# KiCad board ZIN70 Nixie Clock.kicad_pcb
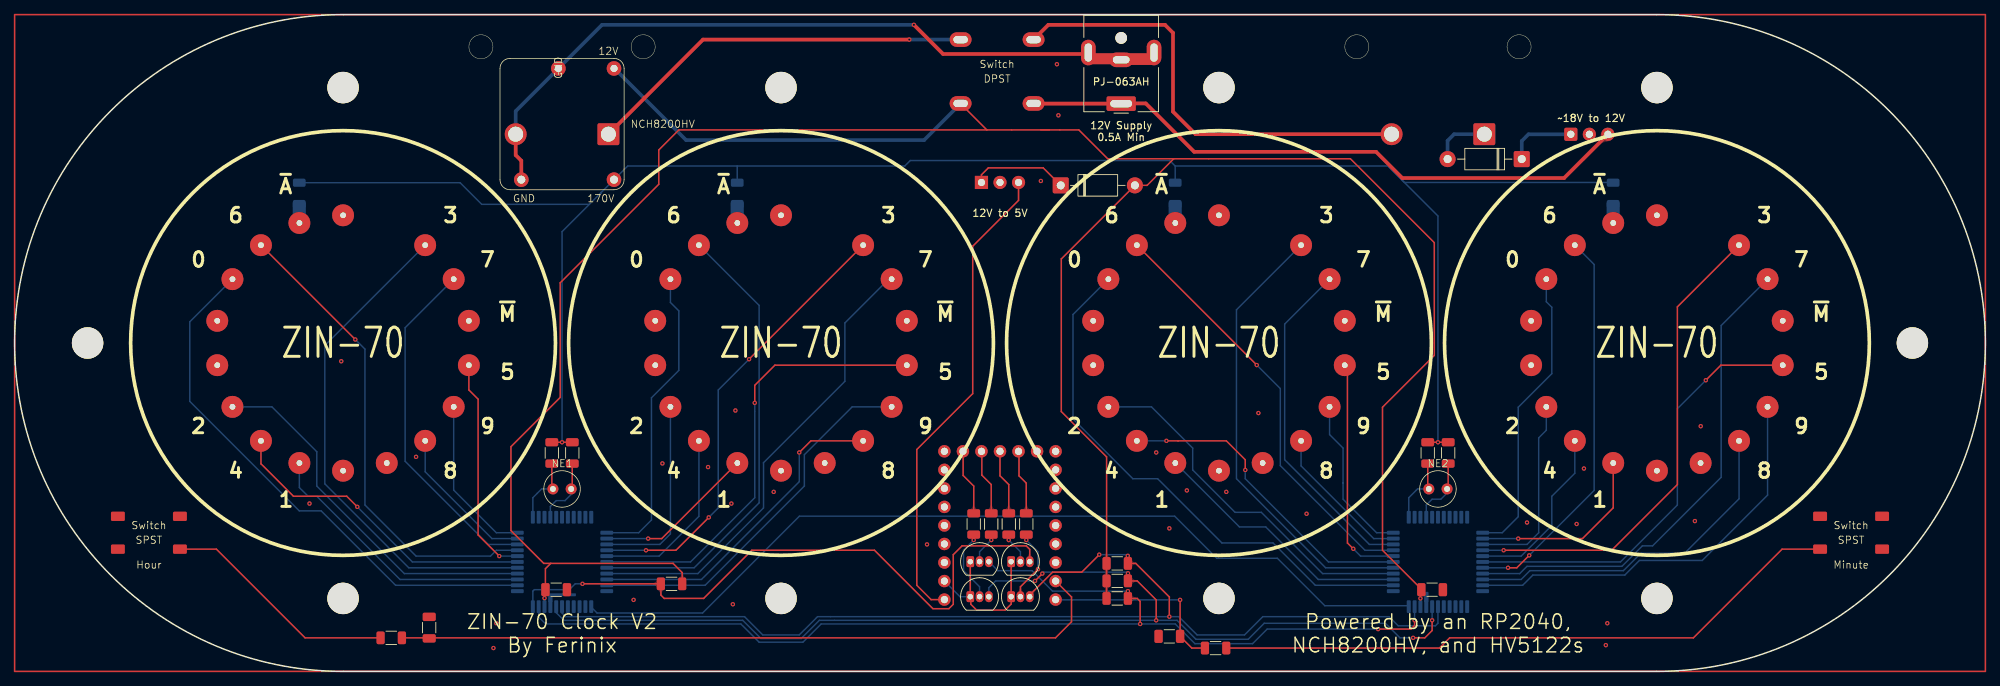
[diagram p0: board, top side]
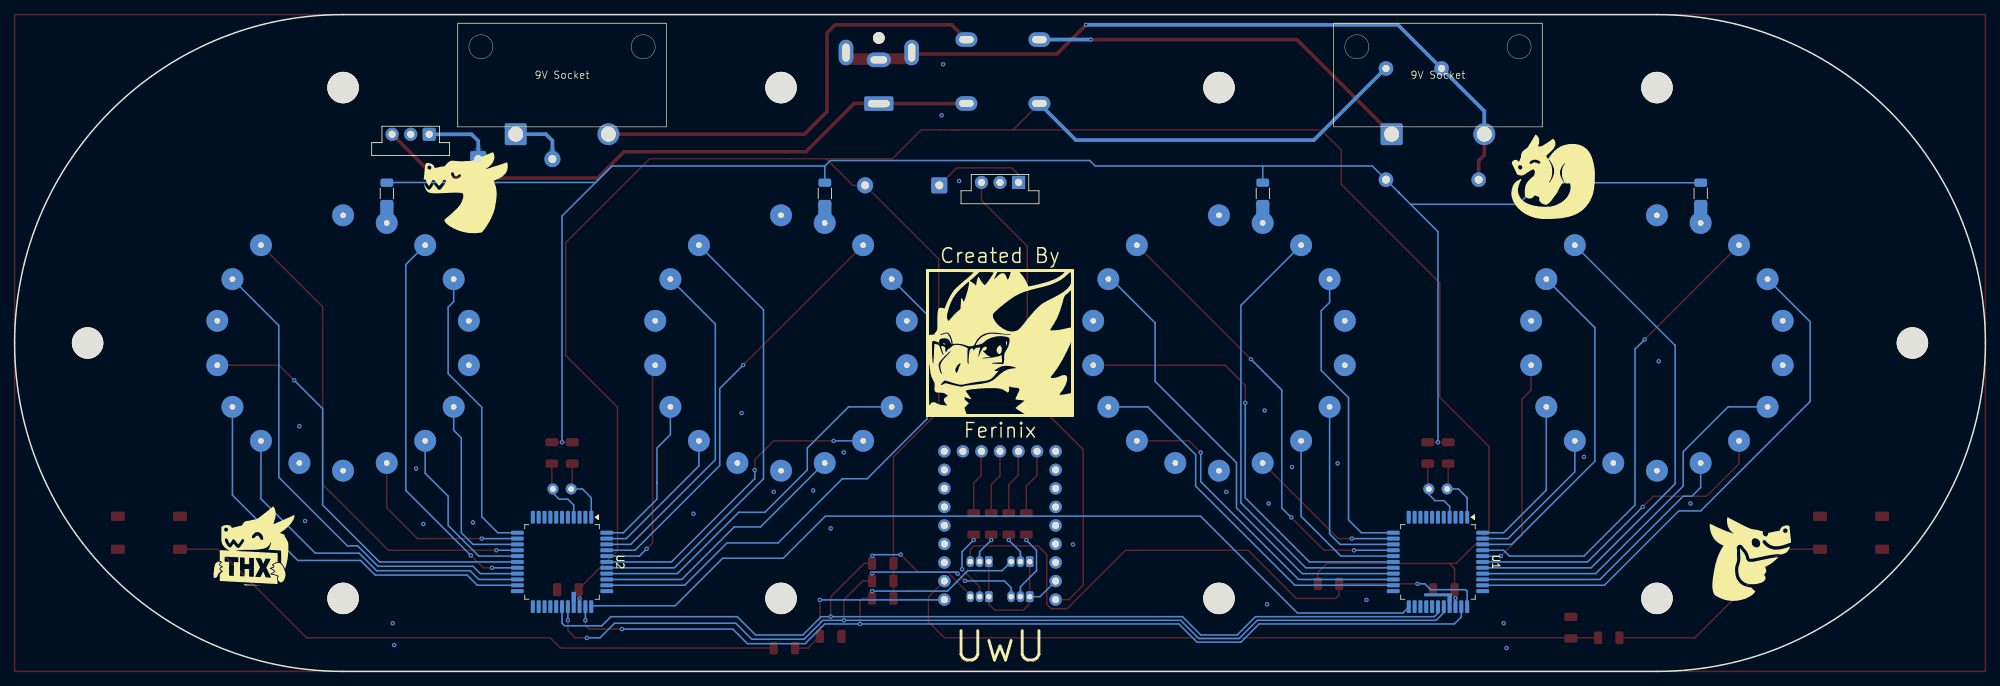
[diagram p1: board, bottom side, seen from below]

Outline 270 x 90 mm; copper layers: Top, Bottom. Coordinates in mm from the lower left corner of the outline.
Outline path: 0,45 arc(13.18,76.82) 45,90 225,90 arc(256.82,76.82) 270,45 arc(256.82,13.18) 225,0 45,0 arc(13.18,13.18) 0,45

## Placement (name value [footprint] x y rotation side)
9V Socket  -  [9V Socket Slim]  75 81.2 270 bottom
9V Socket#2  -  [9V Socket Slim]  195 81.2 270 bottom
C1  100nF  [C_1206_3216Metric]  74.2 11.2 0 top
C2  100nF  [C_1206_3216Metric]  194.2 11.2 0 top
C_DB  1uF  [C_1206_3216Metric]  158.2 4.8 180 top
C_DB#2  1uF  [C_1206_3216Metric]  56.8 6 90 top
D1  1N4007  [D_DO-41_SOD81_P10.16mm_Horizontal]  143.32 66.6 0 top
D2  1N4007  [D_DO-41_SOD81_P10.16mm_Horizontal]  206.48 70.2 180 top
G***  LOGO  [nixside]  135 45 180 bottom
G***#2  LOGO  [dragnthx]  237.65 4.85 180 bottom
G***#3  LOGO  [dragnloaf]  59.8 67.8 180 bottom
G***#4  LOGO  [dragnuwu]  209.35 65.76 180 bottom
G***#5  LOGO  [dragnthink]  31.51 15.1 180 bottom
NCH8200HV  -  [NCH8200HV Through-Hole]  75 75 270 top
NE1  NE-2  [NE-2_5mm]  75 25 0 top
NE2  NE-2  [NE-2_5mm]  195 25 0 top
NIX1  ZIN-70  [ZIN-70 Z5680M Pinout]  45 45 0 top
NIX2  ZIN-70  [ZIN-70 Z5680M Pinout]  105 45 0 top
NIX3  ZIN-70  [ZIN-70 Z5680M Pinout]  165 45 0 top
NIX4  ZIN-70  [ZIN-70 Z5680M Pinout]  225 45 0 top
PJ-063AH  -  [BarrelJack_CUI_PJ-063AH_Horizontal]  151.6 77.8 180 top
Q1  PN2222A  [TO-92_Inline]  136.53 15.04 0 top
Q2  PN2222A  [TO-92_Inline]  136.53 10.24 0 top
Q3  PN2222A  [TO-92_Inline]  130.93 10.24 0 top
Q4  PN2222A  [TO-92_Inline]  130.93 15.04 0 top
R1  6.8K  [R_1206_3216Metric]  39 65.5 270 bottom
R2  6.8K  [R_1206_3216Metric]  99 65.5 270 bottom
R3  6.8K  [R_1206_3216Metric]  159 65.5 270 bottom
R4  6.8K  [R_1206_3216Metric]  219 65.5 270 bottom
R5  200K  [R_1206_3216Metric]  73.6 29.94 90 top
R6  200K  [R_1206_3216Metric]  76.4 29.94 90 top
R7  200K  [R_1206_3216Metric]  193.6 29.94 90 top
R8  200K  [R_1206_3216Metric]  196.4 29.94 90 top
R9  1K  [R_1206_3216Metric]  151.06 10 0 top
R10  1K  [R_1206_3216Metric]  151.06 12.4 0 top
R11  1K  [R_1206_3216Metric]  151.06 14.8 0 top
R12  1K  [R_1206_3216Metric]  90 12 180 top
R13  1K  [R_1206_3216Metric]  136.2 20.2 90 top
R14  1K  [R_1206_3216Metric]  138.6 20.2 90 top
R15  1K  [R_1206_3216Metric]  131.4 20.2 90 top
R16  1K  [R_1206_3216Metric]  133.8 20.2 90 top
R_DB  1K  [R_1206_3216Metric]  164.54 3.2 0 top
R_DB#2  1K  [R_1206_3216Metric]  51.6 4.6 0 top
REF**  -  [MountingHole_4.3mm_M4]  105 80 0 top
REF**#2  -  [MountingHole_4.3mm_M4]  45 80 0 top
REF**#3  -  [MountingHole_4.3mm_M4]  260 45 0 top
REF**#4  -  [MountingHole_4.3mm_M4]  105 10 0 top
REF**#5  -  [MountingHole_4.3mm_M4]  10 45 0 top
REF**#6  -  [MountingHole_4.3mm_M4]  165 10 0 top
REF**#7  -  [MountingHole_4.3mm_M4]  165 80 0 top
REF**#8  -  [MountingHole_4.3mm_M4]  225 10 0 top
REF**#9  -  [MountingHole_4.3mm_M4]  45 10 0 top
REF**#10  -  [MountingHole_4.3mm_M4]  225 80 0 top
REF**#11  -  [RP2040-Tiny Package]  135 20 180 bottom
Switch  -  [TS04-66-85-BK-100-SMT SPST Button]  251.6 19 0 top
Switch#2  -  [DP62J12S202HQ DPDT Slide Switch]  134.6 82.2 0 top
Switch#3  -  [TS04-66-85-BK-100-SMT SPST Button]  18.4 19 0 top
U1  HV5122  [PQFP-44_10x10mm_P0.8mm]  75 15 270 bottom
U2  HV5122  [PQFP-44_10x10mm_P0.8mm]  195 15 270 bottom
U3  OKI-78SR-3.3_1.5-W36-C  [Converter_DCDC_Murata_OKI-78SR_Vertical]  132.46 67 0 bottom
U4  OKI-78SR-3.3_1.5-W36-C  [Converter_DCDC_Murata_OKI-78SR_Vertical#2]  213.2 73.6 0 bottom

## Library data of the parts
C1 C2 = -: Description: Unpolarized capacitor; ki_fp_filters: C_*
C_DB C_DB#2 = -: Description: Unpolarized capacitor
D1 D2 = -: Datasheet: http://www.vishay.com/docs/88503/1n4001.pdf; Description: 1000V 1A General Purpose Rectifier Diode, DO-41; Sim.Device: D; Sim.Pins: 1=K 2=A; ki_fp_filters: D*DO?41*
NE1 NE2 = -: Size: 5mm
Q1-Q4 = -: Datasheet: https://www.onsemi.com/pub/Collateral/PN2222-D.PDF; Description: 1A Ic, 40V Vce, NPN Transistor, General Purpose Transistor, TO-92; Sim.Device: NPN; Sim.Pins: 1=E 2=B 3=C; ki_fp_filters: TO?92*
R1-R4 R9-R16 = -: Description: Resistor; ki_fp_filters: R_*
R5-R8 = -: Description: Resistor, small symbol; ki_fp_filters: R_*
R_DB R_DB#2 = -: Description: Resistor
U3 U4 = -: Datasheet: https://power.murata.com/data/power/oki-78sr.pdf; Description: 1.5A Step-Down DC/DC-Regulator, 7-36V input, 3.3V fixed Output Voltage, LM78xx replacement, -40°C to +85°C, OKI-78SR_Vertical; ki_fp_filters: Converter*DCDC*Murata*OKI*78SR*Vertical*

## Footprints (pads in the part's own frame, mm; a bottom-side part is the same pattern mirrored in y, then rotated)
9V Socket Slim
  round 3 hole 2.06: 1(7.59,6.35)
  rrect 3x3 hole 2.06: 2(7.59,-6.35)
BarrelJack_CUI_PJ-063AH_Horizontal
  round 1.6 hole 1.6 unplated: (0,-9)
  rrect 4x2 hole 3x1: 1(0,0)
  oval 3.3x2 hole 2.3x1: 2(0,-6)
  oval 2x3.5 hole 1x2.5: MP(-4.5,-7) MP(4.5,-7)
C_1206_3216Metric
  rrect 1.15x1.8 smd: 1(-1.475,0) 2(1.475,0)
Converter_DCDC_Murata_OKI-78SR_Vertical
  rect 1.8x1.8 hole 1: 1(0,0)
  round 1.8 hole 1: 2(2.54,0) 3(5.08,0)
Converter_DCDC_Murata_OKI-78SR_Vertical#2
  rrect 1.8x1.8 hole 1: 1(0,0)
  round 1.8 hole 1: 2(2.54,0) 3(5.08,0)
D_DO-41_SOD81_P10.16mm_Horizontal
  rrect 2.2x2.2 hole 1.1: 1(0,0)
  round 2.2 hole 1.1: 2(10.16,0)
DP62J12S202HQ DPDT Slide Switch
  oval 3x2 hole 2x1: 1(-5,-4.375) 2(5,-4.375) 3(-5,4.375) 4(5,4.375)
MountingHole_4.3mm_M4
  round 4.3 hole 4.3 unplated: (0,0)
NCH8200HV Through-Hole
  round 2 hole 1: 1(-7.62,7.12) 3(-7.62,-0.5)
  round 2 hole 1.1: 2(7.62,7.12) 4(7.62,-5.58)
NE-2_5mm
  round 1.5 hole 0.8: 1(-1.25,0) 2(1.25,0)
PQFP-44_10x10mm_P0.8mm
  rrect 1.75x0.55 smd: 1(-6.125,4) 2(-6.125,3.2) 3(-6.125,2.4) 4(-6.125,1.6) 5(-6.125,0.8) 6(-6.125,0) 7(-6.125,-0.8) 8(-6.125,-1.6) 9(-6.125,-2.4) 10(-6.125,-3.2) 11(-6.125,-4) 23(6.125,-4) 24(6.125,-3.2) 25(6.125,-2.4) 26(6.125,-1.6) 27(6.125,-0.8) 28(6.125,0) 29(6.125,0.8) 30(6.125,1.6) 31(6.125,2.4) 32(6.125,3.2) 33(6.125,4)
  rrect 0.55x1.75 smd: 12(-4,-6.125) 13(-3.2,-6.125) 14(-2.4,-6.125) 15(-1.6,-6.125) 16(-0.8,-6.125) 17(0,-6.125) 18(0.8,-6.125) 19(1.6,-6.125) 20(2.4,-6.125) 21(3.2,-6.125) 22(4,-6.125) 34(4,6.125) 35(3.2,6.125) 36(2.4,6.125) 37(1.6,6.125) 38(0.8,6.125) 39(0,6.125) 40(-0.8,6.125) 41(-1.6,6.125) 42(-2.4,6.125) 43(-3.2,6.125) 44(-4,6.125)
R_1206_3216Metric
  rrect 1.125x1.75 smd: 1(-1.462,0) 2(1.462,0)
RP2040-Tiny Package
  round 1.7 hole 1: 0(-7.62,-10.16) 1(-7.62,-7.62) 2(-7.62,-5.08) 3(-7.62,-2.54) 3V3(7.62,-5.08) 4(-7.62,0) 5(-7.62,2.54) 5V(7.62,-10.16) 6(-7.62,5.08) 7(-7.62,7.62) 8(-7.62,10.16) 9(-5.08,10.16) 10(-2.54,10.16) 11(0,10.16) 12(2.54,10.16) 13(5.08,10.16) 14(7.62,10.16) 15(7.62,7.62) 26(7.62,5.08) 27(7.62,2.54) 28(7.62,0) 29(7.62,-2.54) GND(7.62,-7.62)
TO-92_Inline
  rrect 1.05x1.5 hole 0.75: 1(0,0)
  oval 1.05x1.5 hole 0.75: 2(1.27,0) 3(2.54,0)
TS04-66-85-BK-100-SMT SPST Button
  rrect 1.905x1.27 smd: 1(-4.25,2.25) 2(-4.25,-2.25) 3(4.25,2.25) 4(4.25,-2.25)
ZIN-70 Z5680M Pinout
  round 3 hole 0.8: 1(0,17.5) 2(-5.985,16.445) 3(-11.249,13.406) 4(-15.155,8.75) 5(-17.234,3.039) 6(-17.234,-3.039) 7(-15.155,-8.75) 8(-11.249,-13.406) 9(-5.985,-16.445) 10(0,-17.5) 11(5.985,-16.445) 12(11.249,-13.406) 13(15.155,-8.75) 14(17.234,-3.039) 15(17.234,3.039) 16(15.155,8.75) 17(11.249,13.406)

## Nets
+3.3V: REF**#11.3V3
+5V: REF**#11.5V U3.3
+12V: C1.1 C2.1 D1.2 NCH8200HV.1 PJ-063AH.1 R9.1 R10.1 R11.1 R12.1 Switch#2.1 Switch#2.2 U1.31 U2.31 U4.3
+18V: 9V Socket.2 9V Socket#2.1 9V Socket#2.2 D2.2 Switch#2.3 Switch#2.4
+170V: NCH8200HV.2 R1.1 R2.1 R3.1 R4.1 R5.2 R6.2 R7.2 R8.2
GND: 9V Socket.1 C1.2 C2.2 C_DB.2 C_DB#2.2 NCH8200HV.3 NCH8200HV.4 PJ-063AH.2 PJ-063AH.MP Q1.1 Q2.1 Q3.1 Q4.1 REF**#11.GND Switch.1 Switch#3.3 U1.30 U2.30 U3.2 U4.2
CLK: R15.2 REF**#11.13
DIN: R13.2 REF**#11.11
EN: R14.2 REF**#11.10
STR: R16.2 REF**#11.12
Net-(D1-K): D1.1 U3.1
Net-(D2-K): D2.1 U4.1
Net-(NIX1-0): NIX1.4 U1.35
Net-(NIX1-1): NIX1.9 U1.36
Net-(NIX1-2): NIX1.7 U1.37
Net-(NIX1-3): NIX1.17 U1.38
Net-(NIX1-4): NIX1.8 U1.39
Net-(NIX1-5): NIX1.14 U1.40
Net-(NIX1-6): NIX1.3 U1.41
Net-(NIX1-7): NIX1.16 U1.42
Net-(NIX1-8): NIX1.12 U1.43
Net-(NIX1-9): NIX1.13 U1.44
Net-(NIX1-~{A}): NIX1.2 R1.2
Net-(NIX2-0): NIX2.4 U1.12
Net-(NIX2-1): NIX2.9 U1.13
Net-(NIX2-2): NIX2.7 U1.14
Net-(NIX2-3): NIX2.17 U1.15
Net-(NIX2-4): NIX2.8 U1.16
Net-(NIX2-5): NIX2.14 U1.17
Net-(NIX2-6): NIX2.3 U1.18
Net-(NIX2-7): NIX2.16 U1.19
Net-(NIX2-8): NIX2.12 U1.20
Net-(NIX2-9): NIX2.13 U1.21
Net-(NIX2-~{A}): NIX2.2 R2.2
Net-(NIX3-0): NIX3.4 U2.35
Net-(NIX3-1): NIX3.9 U2.36
Net-(NIX3-2): NIX3.7 U2.37
Net-(NIX3-3): NIX3.17 U2.38
Net-(NIX3-4): NIX3.8 U2.39
Net-(NIX3-5): NIX3.14 U2.40
Net-(NIX3-6): NIX3.3 U2.41
Net-(NIX3-7): NIX3.16 U2.42
Net-(NIX3-8): NIX3.12 U2.43
Net-(NIX3-9): NIX3.13 U2.44
Net-(NIX3-~{A}): NIX3.2 R3.2
Net-(NIX4-0): NIX4.4 U2.12
Net-(NIX4-1): NIX4.9 U2.13
Net-(NIX4-2): NIX4.7 U2.14
Net-(NIX4-3): NIX4.17 U2.15
Net-(NIX4-4): NIX4.8 U2.16
Net-(NIX4-5): NIX4.14 U2.17
Net-(NIX4-6): NIX4.3 U2.18
Net-(NIX4-7): NIX4.16 U2.19
Net-(NIX4-8): NIX4.12 U2.20
Net-(NIX4-9): NIX4.13 U2.21
Net-(NIX4-~{A}): NIX4.2 R4.2
Net-(Q1-B): Q1.2 R13.1
Net-(Q1-C): Q1.3 R12.2 U1.33
Net-(Q2-B): Q2.2 R14.1
Net-(Q2-C): Q2.3 R11.2 U1.28 U2.28
Net-(Q3-B): Q3.2 R15.1
Net-(Q3-C): Q3.3 R10.2 U1.29 U2.29
Net-(Q4-B): Q4.2 R16.1
Net-(Q4-C): Q4.3 R9.2 U1.32 U2.32
Net-(U1-DATAOUT): U1.23 U2.33
Net-(U1-HV11): R5.1 U1.1
Net-(U1-HV14): R6.1 U1.4
Net-(U2-HV11): R7.1 U2.1
Net-(U2-HV14): R8.1 U2.4

Pads without a net: C_DB 1; C_DB#2 1; NE1 1 2; NE2 1 2; NIX1 1 5 6 10 11 15; NIX2 1 5 6 10 11 15; NIX3 1 5 6 10 11 15; NIX4 1 5 6 10 11 15; R_DB 1 2; R_DB#2 1 2; REF**#11 0 1 2 3 4 5 6 7 8 9 14 15 26 27 28 29; Switch 2 3 4; Switch#3 1 2 4; U1 2 3 5 6 7 8 9 10 11 22 24 25 26 27 34; U2 2 3 5 6 7 8 9 10 11 22 23 24 25 26 27 34

## Via types
v1: diameter 0.6, hole 0.3, Top to Bottom, 74 vias

## Routing (per net, layer and track width the routed paths; a pad name or vN(x,y) marks a point on that pad's centre or on a via; arc(x,y) is an arc through that point)
+5V: length 65.8
  Top w0.2: 127.4,9.8 127.2,10 ; 137.54,66.94 137.54,64.54 131.26,58.26 131.26,38.06 123.6,30.4 123.6,11.8 125.56,9.84 REF**#11.5V
+12V: length 477.9
  Top w0.2: 158.8,70.25 149.75,70.25 145.8,74.2 133.2,74.2 ; 158.8,70.25 163.6,70.25 183,70.25 194.5,58.75 194.5,43.3 187.4,36.2 187.4,16.6 192.6,11.4 v1(192.6,10) ; 158.8,70.25 155.15,66.6 D1.2 143.4,56.52 143.4,35.6 149.6,29.4 R11.1 ; 73.45,14.8 90.2,14.8 91.46,13.54 R12.1 ; 73.45,14.8 72.72,14.08 C1.1 72.6,11.07 v1(72.6,10.04) ; 73.45,14.8 72.5,14.8 68,19.3 68,30.8 74.75,37.55 74.75,53.25 88.25,66.75 88.25,71.45 91,74.2 133.2,74.2 ; 141.76,74.2 140.6,74.2 ; 133.2,74.2 130.2,77.2 ; R9.1 R10.1 R11.1 ; R11.1 149.4,14.8 ; 192.6,11.07 C2.1
  Top w0.5: U4.3 212.28,67.6 190.12,67.6 186.52,71.2 161.6,71.2 154.97,77.83 151.62,77.83 PJ-063AH.1 139.62,77.8 Switch#2.2
  Bottom w0.2: v1(192.6,10) U2.31 ; v1(72.6,10.04) U1.31
  Bottom w0.5: 82.18,82.62 92,72.8 124.6,72.8 129.6,77.8
+18V: length 124.1
  Top w0.5: 9V Socket.2 94.31,86.58 v1(122.57,86.58) ; Switch#2.4 141.62,88.6 157.6,88.6 158.7,87.5 158.7,76.7 161.79,73.61 9V Socket#2.1 ; 86.27,78.63 86.27,78.53
  Bottom w0.2: 201.38,73.58 9V Socket#2.2
  Bottom w0.5: v1(122.57,86.58) Switch#2.3 ; D2.2 196.32,72.72 197.21,73.61 9V Socket#2.2
+170V: length 270.1
  Top w0.2: R5.2 v1(75,31.4) R6.2 ; R7.2 v1(195,31.4) R8.2
  Bottom w0.2: v1(195,31.4) 195,62.4 188.15,69.25 ; 99,69.25 121.95,69.25 122.7,70 158.25,70 159,69.25 ; 99,69.25 83.99,69.25 NCH8200HV.2 80.33,65.59 ; 99,69.25 R2.1 ; 78.74,64 64,64 61.04,66.96 R1.1 ; 78.74,64 75,60.26 v1(75,31.4) ; 78.74,64 80.33,65.59 ; 159,69.25 188.15,69.25 ; 159,69.25 R3.1 ; 80.33,65.59 80.39,65.65 ; 188.15,69.25 190.4,67 218.96,67 R4.1
GND: length 117.1
  Top w0.2: Q4.1 Q3.1 131,10.17 131,9.2 131.8,8.4 135.7,8.4 136.53,9.23 Q2.1 Q1.1
  Top w0.5: PJ-063AH.MP 146.9,84.6 127.2,84.6 v1(123.2,88.6) ; NCH8200HV.4 69.42,69.98 68.65,70.75 9V Socket.1
  Bottom w0.2: REF**#11.GND 129.52,10.24 Q3.1
  Bottom w0.5: 9V Socket.1 68.65,76.77 NCH8200HV.3 80.48,88.6 v1(123.2,88.6)
  vias: v1(40.4,23) v1(44.75,42.5) v1(55,29.4) v1(65.6,3.2) v1(66,6.6) v1(84.8,9.8) v1(88.75,28.5) v1(95,28) v1(98.2,23) v1(98.4,9.2) v1(98.75,35.75) v1(104,24.6) v1(125,17.4) v1(140.6,67.2) v1(142.8,83.2) v1(143,76.2) v1(156.4,30) v1(158.2,19.6) v1(160.6,24.8) v1(166,24.6) v1(170.4,35.4) v1(177,21.6) v1(207.2,20.4) v1(214,20.2) v1(215,27.8) v1(218,3.6) v1(218.2,6.6) v1(230.2,20.6) v1(231,33.6)
(no net): length 218.6
  Top w0.2: R_DB.2 195.2,3.2 196.6,4.6 230,4.6 242.15,16.75 Switch.2 ; R_DB#2.2 56.72,4.6 C_DB#2.1 ; Switch#3.4 27.65,16.75 39.8,4.6 R_DB#2.1 ; 56.88,4.6 142.6,4.6 144.8,6.8 144.8,10.2 REF**#11.1
CLK: length 9.1
  Top w0.2: R15.2 131.4,25.4 129.95,26.85 129.95,30.21
DIN: length 9
  Top w0.2: 135,30.2 135,26.8 136.2,25.6 R13.2
EN: length 9
  Top w0.2: R14.2 138.6,25.8 137.6,26.8 137.6,30.2
STR: length 9
  Top w0.2: R16.2 133.8,25.6 132.51,26.89 132.51,30.13
Net-(D1-K): length 13.3
  Top w0.2: U3.1 132.46,68.06 133.4,69 140.92,69 D1.1
Net-(D2-K): length 9.6
  Bottom w0.5: D2.1 206.48,72.68 207.4,73.6 U4.1 213.19,73.58
Net-(NIX1-0): length 74.5
  Bottom w0.2: U1.35 52.2,11.8 42,22 39,22 24,37 24,47.91 NIX1.4
Net-(NIX1-1): length 38.4
  Bottom w0.2: U1.36 52.8,12.6 41.4,24 40.2,24 39.01,25.19 NIX1.9
Net-(NIX1-2): length 51.2
  Bottom w0.2: U1.37 53.4,13.4 41.4,25.4 41.4,30.1 35.25,36.25 NIX1.7
Net-(NIX1-3): length 69.5
  Bottom w0.2: NIX1.17 42.5,44.66 42.5,25.7 54,14.2 U1.38
Net-(NIX1-4): length 43.8
  Top w0.2: NIX1.8 33.75,28.45 38.2,24 45.5,24 v1(46.95,22.55)
  Bottom w0.2: v1(46.95,22.55) 54.5,15 U1.39
Net-(NIX1-5): length 30.4
  Top w0.2: NIX1.14 62.23,38.57 63.5,37.3 63.5,18.7 v1(66.4,15.8)
  Bottom w0.2: v1(66.4,15.8) U1.40
Net-(NIX1-6): length 65.6
  Top w0.2: v1(46.68,45.48) NIX1.3
  Bottom w0.2: v1(46.68,45.48) 48,44.16 48,22.8 55,15.8 65.2,15.8 66,16.6 U1.41
Net-(NIX1-7): length 47.8
  Bottom w0.2: NIX1.16 53.5,47.09 53.5,28.8 64.9,17.4 U1.42
Net-(NIX1-8): length 20.7
  Bottom w0.2: NIX1.12 56.25,27.35 65.4,18.2 U1.43
Net-(NIX1-9): length 22.8
  Bottom w0.2: 60,36.09 NIX1.13 60.16,24.84 66,19 U1.44
Net-(NIX1-~{A}): length 0
  Bottom w0.2: NIX1.2 39,61.46
Net-(NIX2-0): length 41.9
  Bottom w0.2: U1.12 85.5,19 87.25,20.75 87.25,37.5 91,41.25 91,49.4 89.84,50.56 NIX2.4
Net-(NIX2-1): length 22.2
  Top w0.2: v1(86.8,18.2) 88.66,18.2 NIX2.9
  Bottom w0.2: v1(86.8,18.2) U1.13
Net-(NIX2-2): length 26.7
  Bottom w0.2: NIX2.7 89.84,18.84 88.4,17.4 U1.14
Net-(NIX2-3): length 61.9
  Top w0.2: v1(86.5,16.6) 90.6,16.6 v1(95.1,21.1) ; v1(100.62,42.78) NIX2.17
  Bottom w0.2: v1(86.5,16.6) U1.15 ; v1(100.62,42.78) 96.4,38.56 96.4,22.4 v1(95.1,21.1)
Net-(NIX2-4): length 25.2
  Bottom w0.2: NIX2.8 93.75,21.25 88.3,15.8 U1.16
Net-(NIX2-5): length 61.3
  Top w0.2: NIX2.14 104.16,41.96 101.4,39.2 v1(101.4,36.8)
  Bottom w0.2: U1.17 92.6,15 101.4,23.8 101.4,35.6 v1(101.4,36.8)
Net-(NIX2-6): length 63.3
  Bottom w0.2: NIX2.3 102,50.16 102,23.1 93.1,14.2 U1.18
Net-(NIX2-7): length 64.1
  Bottom w0.2: U1.19 93.6,13.4 102.6,22.4 102.6,28.6 113.75,39.75 113.75,47.75 119.75,53.75 NIX2.16
Net-(NIX2-8): length 45.3
  Top w0.2: NIX2.12 109.09,31.59 v1(107.5,30)
  Bottom w0.2: v1(107.5,30) 107.5,26 94.1,12.6 U1.20
Net-(NIX2-9): length 51.7
  Bottom w0.2: NIX2.13 114.75,36.25 108.2,29.7 108.2,25.4 94.6,11.8 U1.21
Net-(NIX2-~{A}): length 0
  Bottom w0.2: 99,61.46 NIX2.2
Net-(NIX3-0): length 74.5
  Bottom w0.2: U2.35 178.2,11.8 172.4,17.6 165.4,17.6 156.6,26.4 153.2,26.4 145,34.6 145,48.91 NIX3.4
Net-(NIX3-1): length 36.4
  Bottom w0.2: U2.36 178.6,12.6 171.4,19.8 167.8,19.8 159.04,28.56
Net-(NIX3-2): length 50.3
  Bottom w0.2: v1(149.84,36.25) 155.75,36.25 161.4,30.6 161.4,27.6 167.2,21.8 170.8,21.8 179.2,13.4 U2.37
Net-(NIX3-3): length 62.2
  Bottom w0.2: U2.38 179.6,14.2 167.4,26.4 167.4,49.56 NIX3.17
Net-(NIX3-4): length 43.5
  Top w0.2: v1(168.6,27.6) 168.6,29 166.01,31.59 v1(157.8,31.59)
  Bottom w0.2: v1(157.8,31.59) NIX3.8 ; v1(168.6,27.6) 168.6,26.4 180,15 U2.39
Net-(NIX3-5): length 32.1
  Top w0.2: NIX3.14 182.6,41.6 182.6,17.6 v1(183.4,16.8)
  Bottom w0.2: v1(183.4,16.8) 184.4,15.8 U2.40 ; 182.6,41.6 NIX3.14
Net-(NIX3-6): length 58.6
  Top w0.2: v1(170.18,41.98) NIX3.3
  Bottom w0.2: v1(170.18,41.98) 173.4,38.76 173.4,28.2 185,16.6 U2.41
Net-(NIX3-7): length 47
  Bottom w0.2: U2.42 185.6,17.4 174,29 174,47.59 NIX3.16
Net-(NIX3-8): length 20.2
  Bottom w0.2: U2.43 186.2,18.2 176.25,28.15 NIX3.12
Net-(NIX3-9): length 22.2
  Bottom w0.2: NIX3.13 180.16,32.44 182,30.6 182,25.85 182,23.6 186.6,19 U2.44
Net-(NIX4-0): length 40.6
  Bottom w0.2: U2.12 203.8,19 206,21.2 206,36.2 210.6,40.8 210.6,49.9 209.84,50.65 NIX4.4
Net-(NIX4-1): length 26.1
  Top w0.2: NIX4.9 219.01,22.41 214.8,18.2 v1(206,18.2)
  Bottom w0.2: 218.8,28.34 NIX4.9 ; v1(206,18.2) U2.13
Net-(NIX4-2): length 26
  Bottom w0.2: NIX4.7 209.84,33.04 208.8,32 208.8,19 207.2,17.4 U2.14
Net-(NIX4-3): length 66.7
  Top w0.2: NIX4.17 227.8,49.96 227.8,25.6 218.8,16.6 v1(204,16.6)
  Bottom w0.2: v1(204,16.6) U2.15
Net-(NIX4-4): length 24.1
  Bottom w0.2: U2.16 206.4,15.8 210.6,20 210.6,24 213.75,27.15 NIX4.8
Net-(NIX4-5): length 60
  Top w0.2: NIX4.14 233.76,41.96 v1(231.7,39.9)
  Bottom w0.2: U2.17 220,15 227.8,22.8 227.8,36 v1(231.7,39.9)
Net-(NIX4-6): length 54.4
  Top w0.2: v1(204.6,14.2) 205.8,14.2 v1(207.5,15.9)
  Bottom w0.2: v1(207.5,15.9) 216.4,24.8 216.4,55.76 NIX4.3 ; v1(204.6,14.2) U2.18
Net-(NIX4-7): length 67.9
  Bottom w0.2: U2.19 206.2,13.4 207.2,14.4 220.2,14.4 223,17.2 224.4,17.2 233.8,26.6 233.8,47.39 NIX4.16
Net-(NIX4-8): length 47.6
  Bottom w0.2: U2.20 206.4,12.6 207.6,13.8 220.4,13.8 222.8,16.2 228.8,16.2 236.25,23.65 NIX4.12
Net-(NIX4-9): length 56.2
  Bottom w0.2: U2.21 206.6,11.8 208,13.2 220.6,13.2 222.6,15.2 231.2,15.2 240.16,24.16 NIX4.13
Net-(NIX4-~{A}): length 0
  Bottom w0.2: NIX4.2 219,61.46 219,61.47
Net-(Q1-B): length 4.4
  Top w0.2: R13.1 v1(136.2,18)
  Bottom w0.2: v1(136.2,18) 137.8,16.4 Q1.2
Net-(Q1-C): length 87.6
  Top w0.2: Q1.3 139.07,16.73 138.6,17.2 129.8,17.2 128.6,16 128.6,9.2 128,8.6 125.8,8.6 117.8,16.6 101,16.6 94.4,10 89,10 88.54,10.46 R12.2 ; v1(77.8,12) 88.28,12
  Bottom w0.2: U1.33 71,11 71.2,11.2 76,11.2 76.8,12 v1(77.8,12)
Net-(Q2-B): length 10.2
  Top w0.2: Q2.2 137.8,11.6 v1(140.2,14) ; R14.1 v1(138.6,18)
  Bottom w0.2: v1(140.2,14) 140.2,16.4 v1(138.6,18)
Net-(Q2-C): length 155.5
  Top w0.2: v1(148.6,16) 146.2,13.6 142.2,13.6 139.07,10.47 Q2.3 ; v1(152.51,15.84) 152.51,14.82 R11.2 153.6,14.8 158.2,10.2 v1(158.2,7.5)
  Bottom w0.2: v1(148.6,16) 152.34,16 v1(152.51,15.84) ; U2.28 195,6.6 194.65,6.25 189.55,6.25 188.3,7.5 171,7.5 168.5,5 162,5 159.5,7.5 v1(158.2,7.5) 111.77,7.5 110,7.5 107.5,5 102.5,5 100,7.5 75.5,7.5 75,8 U1.28
Net-(Q3-B): length 10
  Top w0.2: R15.1 v1(131.4,18)
  Bottom w0.2: Q3.2 132.2,11.6 130,13.8 130,16.6 v1(131.4,18)
Net-(Q3-C): length 159.9
  Top w0.2: v1(139.8,12.4) 140.85,13.45 ; v1(152.53,13.45) 152.53,12.41 R10.2 153.8,12.4 156.4,9.8 v1(156.4,7) ; v1(194.2,7) 194.2,5.6 193.2,4.6 v1(191.6,4.6)
  Bottom w0.2: v1(191.6,4.6) 189.8,4.6 187.8,6.6 171.2,6.6 169,4.4 161.85,4.4 159.25,7 v1(156.4,7) 112.34,7 110.25,7 107.75,4.5 102.25,4.5 99.75,7 75.25,7 74.2,8.05 U1.29 ; v1(139.8,12.4) 134.4,12.4 133.47,11.47 Q3.3 ; v1(152.53,13.45) 152.38,13.6 141,13.6 140.85,13.45 ; v1(194.2,7) U2.29
  vias: v1(140.8,13.4)
Net-(Q4-B): length 4.4
  Top w0.2: R16.1 v1(133.8,18)
  Bottom w0.2: Q4.2 132.2,16.4 v1(133.8,18)
Net-(Q4-C): length 181.4
  Top w0.2: v1(186.8,5.8) 191.3,5.8 191.8,6.3 v1(191.8,7) ; 163.07,3.2 161.28,3.2 159.68,4.8 v1(159.68,9.8) ; v1(154.2,6.5) 154.2,9.6 153.8,10 R9.2 v1(152.52,11)
  Bottom w0.2: v1(159.68,9.8) 142.66,9.8 ; U1.32 71.8,7.45 72.75,6.5 99.5,6.5 102,4 108,4 110.5,6.5 v1(154.2,6.5) 159,6.5 161.7,3.8 169.6,3.8 171.6,5.8 v1(186.8,5.8) ; v1(152.52,11) 142.2,11 139.4,13.8 134.71,13.8 Q4.3 ; v1(191.8,7) U2.32
Net-(U1-DATAOUT): length 123
  Bottom w0.2: U1.23 79,8.8 79.8,8 94.25,8 107.52,21.27 158.93,21.27 164.7,15.5 173,15.5 179.5,9 190.87,9 U2.33
Net-(U1-HV11): length 9.5
  Top w0.2: R5.1 73.6,25.2 73.8,25
  Bottom w0.2: U1.1 71,23.8 72.2,25 73.75,25
Net-(U1-HV14): length 9.3
  Top w0.2: R6.1 76.4,25.2 76.2,25
  Bottom w0.2: U1.4 73.4,22.6 74.2,23.4 75.4,23.4 76.25,24.25 76.25,25
Net-(U2-HV11): length 9.5
  Top w0.2: R7.1 193.6,25.2 193.8,25
  Bottom w0.2: 193.75,25 192.2,25 191,23.8 U2.1
Net-(U2-HV14): length 9.5
  Top w0.2: 196.2,24.8 196.4,25 R8.1
  Bottom w0.2: 196.25,25 196.25,24.45 195.4,23.6 194.2,23.6 193.4,22.8 U2.4

## Copper pours and planes (outline as drawn; the poured copper is in the pictures)
GND on Top: 0,90 270,90 270,0 0,0
GND on Bottom: 0,90 270,90 270,0 0,0

Small or netless copper shapes (teardrops, artwork), in the pictures only: 144 on Top, 152 on Bottom

## Text on the board
B.Silkscreen: Ferinix | Created By | UwU
F.Silkscreen: Hour | Minute | 12V to 5V | 12V Supply / 0.5A Min | ~18V to 12V | ZIN-70 Clock V2 / By Ferinix | Powered by an RP2040, / NCH8200HV, and HV5122s
